# Altium PCB KASLI-DIOT-CPU.PcbDoc (part 1 of 5) (continued)
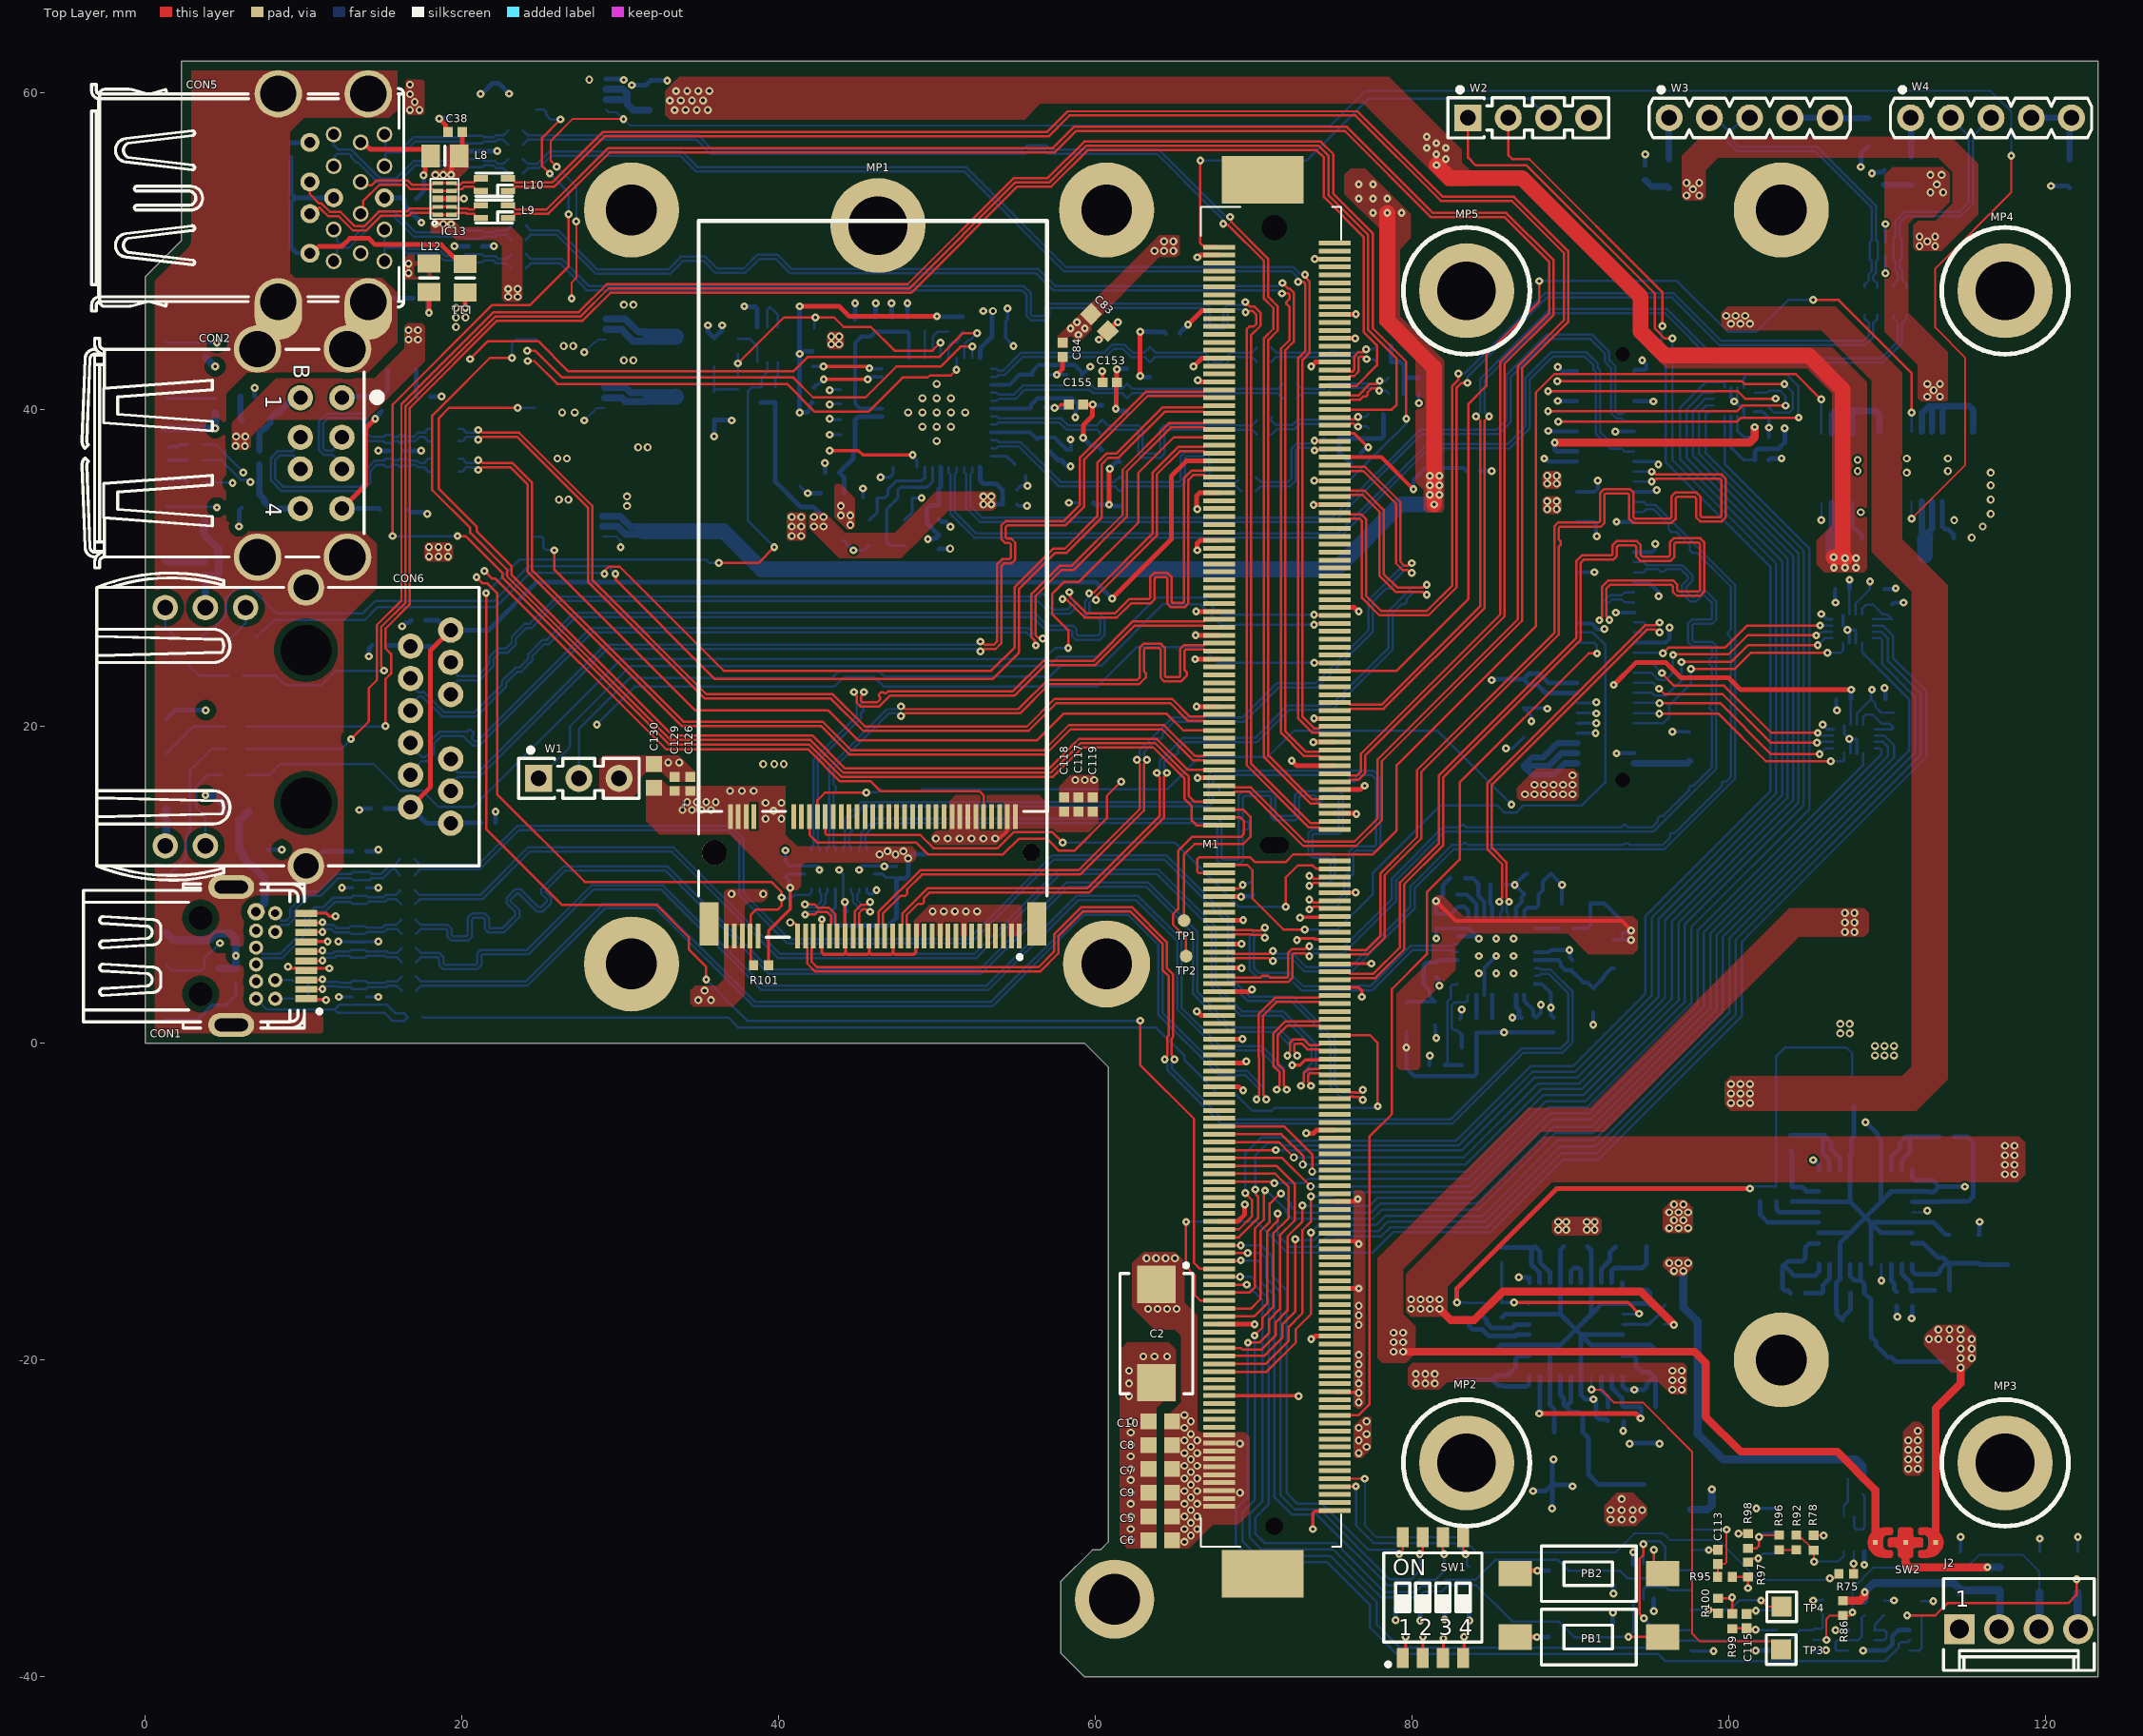
[diagram p0: Top Layer view]
## Components (designator, comment, footprint, x,y, rotation, side; value= is the part's Value field where it differs from the comment) (continued)
C151 "100nF" CAPC1005X55N 23.58,50.717 r180 bottom
C152 "100nF" CAPC1005X55N 64.87,44.817 r0 bottom
C153 "100nF" CAPC1005X55N 60.898,41.714 r180 top
C154 "100nF" CAPC1005X55N 59.42,34.117 r0 bottom
C155 "100nF" CAPC1005X55N 58.77,40.317 r0 top
CON1 "Mini DP" MULTICOMP_64L020S-3x1N-B 3.5,5.5 r270 top locked
CON2 "USB" FCI_72309-8034BLF 11.11,37.25 r270 top locked
CON5 "USB 3.0" WURTH_692141030100 12.75,53.37 r270 top locked
CON6 "RJ45" BELFUSE_L829-1J1T-43 18.02,19.98 r90 top locked
D1 "PESD3V3L1BA" SOD2512X110N 78.945,-34.383 r270 bottom
D2 "PESD3V3L1BA" SOD2512X110N 80.495,-34.383 r270 bottom
D3 "PESD3V3L1BA" SOD2512X110N 82.045,-34.383 r270 bottom
D4 "PESD3V3L1BA" SOD2512X110N 83.595,-34.383 r270 bottom
D5 "PESD3V3L1BA" SOD2512X110N 122,-33.4 r90 bottom
D6 "PESD3V3L1BA" SOD2512X110N 89.9,-37.5 r180 bottom
D7 "CDSOD323-T12" SOD2513X114N 119.6,-33.4 r90 bottom
D8 "CDSOD323-T12" SOD2513X114N 114.6,-33.4 r90 bottom
D9 "PESD3V3L1BA" SOD2512X110N 89.9,-33.3 r180 bottom
D11 "BAT165" SOD2512X110N 47.72,16.017 r0 bottom
F1 "500mA-50V" FUSC_BOURNS_SF-0603F 117.1,-33.825 r270 bottom
FB1 "220R@100MHz" 0603L 5.72,14.617 r0 bottom
IC1 "SN74AVC4T245RSVR" QFN40P180X260X55-16N 107.8,26.167 r270 bottom
IC2 "SN74AVC4T245RSVR" QFN40P180X260X55-16N 107.875,19.217 r270 bottom
IC3 "SN74AVC4T245RSVR" QFN40P180X260X55-16N 100.32,40.467 r90 bottom
IC4 "RCLAMP0524P.TCT" SMDARRAYC_10P4C 13.51,2.917 r270 bottom
IC5 "RCLAMP0524P.TCT" SMDARRAYC_10P4C 13.435,6.392 r270 bottom
IC6 "RCLAMP0524P.TCT" SMDARRAYC_10P4C 13.535,9.792 r270 bottom
IC7 "TPS2051BDGN" SOP65P490X110-9N-R157X189 26.7,32.95 r180 bottom
IC8 "TPS2051BDGN" SOP65P490X110-9N-R157X189 26.8,41.075 r180 bottom
IC9 "RCLAMP0524P.TCT" SMDARRAYC_10P4C 15.835,37.4 r90 bottom
IC10 "RCLAMP0524P.TCT" SMDARRAYC_10P4C 109.9,50.135 r0 bottom
IC11 "TPS2051BDGN" SOP65P490X110-9N-R157X189 26.9,45.4 r180 bottom
IC12 "TPS2051BDGN" SOP65P490X110-9N-R157X189 26.9,59.9 r180 bottom
IC13 "RCLAMP0524P.TCT" SMDARRAYC_10P4C 18.9,53.3 r90 top
IC14 "TPS2051BDGN" SOP65P490X110-9N-R157X189 106.8,36.3 r90 bottom
IC15 "RCLAMP0524P.TCT" SMDARRAYC_10P4C 20.835,56.3 r270 bottom
IC16 "RCLAMP0524P.TCT" SMDARRAYC_10P4C 20.835,50.3 r90 bottom
IC17 "DP83869HMRGZ" QFN50P700X700X100-49N-S420 49.97,39.817 r180 bottom
IC18 "MPM54304GMN-0004" MPS_MPM54304GMN 90.325,-18.088 r0 bottom
IC19 "MPM54304GMN-0001" MPS_MPM54304GMN 108.625,-11 r0 bottom
IC20 "74VHC123AM" SOIC127P600X175-16N 100.3,-33.9 r180 bottom locked
IC21 "TMUXHS4212IRKSR" TI_RKS0020A 43.82,10.942 r90 bottom
IC22 "PI6CB18401ZHIEX" PERICOM_32-TQFN(ZH) 85.3,5.5 r0 bottom
IC23 "TPS2051BDGN" SOP65P490X110-9N-R157X189 112.5,36.4 r90 bottom
J1 "" SAMTEC_LSS-140-01-L-DV-A 92.2,30.05 r90 bottom locked
J2 "KK®" MOLEX_22-04-1041 118.3,-37 r0 top
L1 "220R@100MHz" INDC2012X105N 7,39.3 r0 bottom
L2 "220R@100MHz" INDC2012X105N 16.2,42.5 r0 bottom
L3 "DLSCM0805-900M or DLW21SN900SQ2L" DLSCM0805 18.95,38.4 r0 bottom value=90R
L4 "DLSCM0805-900M or DLW21SN900SQ2L" DLSCM0805 18.95,36.5 r0 bottom value=90R
L5 "220R@100MHz" INDC2012X105N 15.7,33.7 r0 bottom
L6 "220R@100MHz" INDC2012X105N 7,33.8 r0 bottom
L7 "220R@100MHz" INDC2012X105N 19.22,60.217 r180 bottom
L8 "220R@100MHz" INDC2012X105N 18.92,56.017 r0 top
L9 "DLSCM0805-900M or DLW21SN900SQ2L" DLSCM0805 22.05,52.5 r180 top value=90R
L10 "DLSCM0805-900M or DLW21SN900SQ2L" DLSCM0805 22.05,54.2 r180 top value=90R
L11 "220R@100MHz" INDC2012X105N 20.2,48.3 r90 top
L12 "220R@100MHz" INDC2012X105N 17.92,48.317 r270 top
L13 "220R@100MHz" INDC2012X105N 96.2,54.9 r90 bottom
L14 "DLSCM0805-900M or DLW21SN900SQ2L" DLSCM0805 108.97,46.842 r270 bottom value=90R
L15 "220R@100MHz" INDC2012X105N 108.8,57.5 r90 bottom
L16 "220R@100MHz" INDC2012X105N 111.5,55.1 r90 bottom
L17 "DLSCM0805-900M or DLW21SN900SQ2L" DLSCM0805 110.8,46.85 r270 bottom value=90R
L18 "220R@100MHz" INDC2012X105N 121.5,54.9 r90 bottom
L19 "220R@100MHz" INDC2012X105N 79.62,1.617 r90 bottom
L20 "220R@100MHz" INDC2012X105N 92.72,5.617 r270 bottom
L21 "220R@100MHz" INDC2012X105N 90.35,8.825 r180 bottom
LD1 "Orange" LED_DIALIGHT_597-2111-407F 1.32,16.517 r90 bottom
LD2 "Red" LED_DIALIGHT_597-2111-407F 1.32,8.717 r90 bottom
LD3 "Green" LED_DIALIGHT_597-2111-407F 1.32,22.217 r90 bottom
LD4 "Red/Green/Blue" LED_OPTEK_OVSRRGBCC3_a 1.3,37.2 r90 bottom
LD5 "Red" LED_DIALIGHT_597-2111-407F 1.32,3.217 r90 bottom
LD6 "Orange" LED_DIALIGHT_597-2111-407F 1.32,42.517 r90 bottom
LD7 "Green" LED_DIALIGHT_597-2111-407F 1.32,32.217 r90 bottom
M1 "SMARC2.1" SMARC2.1 71.3,51.5 r270 top locked
MP1 "M2.5x5mm" 9774025151 46.265,51.621 r180 top locked
MP2 "M2.5x5mm" 9774025151 83.43,-26.5 r0 top
MP3 "M2.5x5mm" 9774025151 117.43,-26.5 r0 top
MP4 "M2.5x5mm" 9774025151 117.43,47.5 r0 top
MP5 "M2.5x2.5mm" 9774025151 83.43,47.5 r0 top
PB1 "Push Button" PB_TYCO_FSMSM 91.15,-37.5 r180 top
PB2 "Push Button" PB_TYCO_FSMSM 91.15,-33.5 r180 top
Q1 "25MHz" XTAL_EPSON_TSX-3225 46.82,32.217 r90 bottom
R1 "1k2" RESC1005X40N 69.92,9.847 r270 bottom
R2 "1k2" RESC1005X40N 110.3,27.237 r270 bottom
R3 "1k2" RESC1005X40N 110.375,20.387 r270 bottom
R4 "0" RESC1005X40N 9.82,2.817 r180 bottom
R5 "0" RESC1005X40N 9.82,3.917 r180 bottom
R6 "0" RESC1005X40N 17.04,1.642 r180 bottom
R7 "0" RESC1005X40N 16.55,10.617 r180 bottom
R8 "0" RESC1005X40N 16.55,11.617 r180 bottom
R9 "100" RESC1005X40N 63.436,44.418 r90 bottom
R10 "100" RESC1005X40N 62,42.107 r90 bottom
R11 "100" RESC1005X40N 63.436,42.518 r270 bottom
R12 "100" RESC1005X40N 62,40.247 r270 bottom
R13 "0" RESC1005X40N 23.39,57.617 r180 bottom
R14 "100" RESC1005X40N 61.52,34.377 r90 bottom
R15 "100" RESC1005X40N 61.52,36.217 r270 bottom
R16 "100" RESC1005X40N 60.42,37.917 r90 bottom
R17 "100" RESC1005X40N 60.42,39.817 r270 bottom
R18 "100" RESC1005X40N 13.52,12.117 r180 bottom
R19 "330" RESC1608X55N 5.62,16.917 r180 bottom
R20 "330" RESC1608X55N 6.245,25.617 r180 bottom
R21 "330" RESC1608X55N 2.72,25.617 r180 bottom
R22 "100" RESC1005X35N 37.42,41.747 r270 bottom
R23 "2K49" RESC1005X40N 49.22,45.417 r270 bottom
R24 "2K49" RESC1005X40N 4.19,4.717 r0 bottom
R25 "2K49" RESC1005X40N 50.72,45.387 r270 bottom
R26 "2K49" RESC1005X40N 3.82,43.747 r270 bottom
R27 "470" RESC1005X40N 5.583,18.58 r180 bottom
R28 "2K49" RESC1005X40N 3.72,33.387 r270 bottom
R29 "no_value" RESC1005X40N 44.35,37.417 r180 bottom
R30 "470" RESC1005X40N 5.583,19.98 r180 bottom
R31 "470" RESC1005X40N 5.72,23.217 r180 bottom
R32 "2K49" RESC1005X40N 51.62,45.387 r90 bottom
R33 "2K49" RESC1005X40N 41.79,45.117 r180 bottom
R34 "11k" RESC1005X40N 55.246,36.19 r315 bottom
R36 "2K49" RESC1005X40N 42.12,43.187 r90 bottom
R37 "no_value" RESC1005X40N 42.12,40.917 r270 bottom
R38 "0" RESC1005X40N 23.39,56.717 r180 bottom
R39 "0" RESC1005X40N 23.39,55.817 r180 bottom
R40 "0" RESC1005X40N 23.39,54.917 r180 bottom
R41 "no_value" RESC1005X40N 37.42,43.987 r270 bottom
R42 "100" RESC1005X40N 78.99,41.017 r0 bottom
R43 "100" RESC1005X40N 78.99,42.017 r0 bottom
R44 "100" RESC1005X40N 78.19,43.017 r0 bottom
R45 "100" RESC1005X40N 78.19,44.017 r0 bottom
R46 "470" RESC1005X40N 5.72,4.247 r90 bottom
R47 "470" RESC1005X40N 4.42,40.247 r270 bottom
R48 "470" RESC1005X40N 3.72,29.947 r270 bottom
R50 "100" RESC1005X40N 77.72,39.717 r180 bottom
R51 "100" RESC1005X40N 77.72,38.817 r180 bottom
R52 "100" RESC1005X40N 74.92,38.217 r180 bottom
R53 "100" RESC1005X40N 74.89,37.317 r180 bottom
R57 "0" RESC2012X60N 95.795,-12.833 r0 bottom
R58 "68k" RESC1005X40N 83.45,-16.88 r90 bottom
R59 "68k" RESC1005X40N 84.55,-16.88 r90 bottom
R60 "24k" RESC1005X40N 85.65,-13.38 r90 bottom
R61 "240" RESC1005X40N 95.42,-17.75 r0 bottom
R62 "3k3" RESC1005X40N 85.65,-16.85 r90 bottom
R63 "10k" RESC1005X40N 95.48,-16.55 r0 bottom
R64 "0" RESC2012X60N 82.85,-20.25 r90 bottom
R65 "24k" RESC1005X40N 94.88,-22.95 r0 bottom
R66 "3k3" RESC1005X40N 93.35,-23.42 r90 bottom
R67 "240" RESC1005X40N 107.97,-27.5 r0 bottom
R68 "10k" RESC1005X40N 38.887,40.917 r270 bottom
R69 "240" RESC1005X40N 39.787,40.917 r270 bottom
R70 "68k" RESC1005X40N 107.97,-28.5 r180 bottom
R71 "0" RESC2012X60N 110.475,-2 r180 bottom
R72 "68k" RESC1005X40N 101.975,-9.53 r90 bottom
R73 "68k" RESC1005X40N 102.975,-9.53 r90 bottom
R74 "10k" RESC1005X40N 113.745,-5.9 r180 bottom
R75 "240" RESC1005X40N 107.4,-33.5 r0 top
R76 "24k" RESC1005X40N 114.275,-9.53 r270 bottom
R77 "24k" RESC1005X40N 113.275,-9.53 r270 bottom
R78 "68k" RESC1005X40N 105.345,-31.538 r270 top
R79 "0" RESC2012X60N 106.775,-2 r0 bottom
R80 "68k" RESC1005X40N 38.987,46.487 r0 bottom
R81 "15k" RESC1005X40N 103.875,-6.3 r90 bottom
R82 "7k5" RESC1005X40N 103.975,-9.53 r90 bottom
R83 "0" RESC2012X60N 99.475,-13.2 r90 bottom
R84 "24k" RESC1005X40N 104.345,-15.8 r180 bottom
R85 "7k5" RESC1005X40N 106.305,-15.8 r180 bottom
R86 "10k" RESC1005X40N 107.195,-35.663 r90 top
R87 "10k" RESC1005X40N 112.17,-35.688 r90 bottom
R88 "10k" RESC1005X40N 109.795,-35.658 r90 bottom
R89 "0" RESC2012X60N 117.575,-13 r90 bottom
R90 "68k" RESC1005X40N 113.445,-15.6 r0 bottom
R91 "15k" RESC1005X40N 111.575,-16.17 r90 bottom
R92 "24k" RESC1005X40N 104.245,-31.528 r270 top
R93 "10k" RESC1005X40N 108.545,-35.663 r90 bottom
R94 "10k" RESC1005X40N 105.9,-35.6 r90 bottom
R95 "24k" RESC1005X40N 99.74,-33.708 r180 top
R96 "15k" RESC1005X40N 103.17,-31.528 r90 top
R97 "68k" RESC1005X40N 101.2,-33.23 r90 top
R98 "68k" RESC1005X40N 101.2,-31.43 r270 top
R99 "24k" RESC1005X40N 100.2,-36.5 r270 top
R100 "68k" RESC1005X40N 99.3,-35.53 r270 top
R101 "10k" RESC1005X40N 38.89,4.917 r180 top
R102 "150" RESC1005X40N 3.1,37.8 r180 bottom
R103 "33" RESC1005X40N 3.13,36.8 r180 bottom
R104 "33" RESC1005X40N 3.13,35.4 r180 bottom
R105 "1k2" RESC1005X40N 84.05,1.13 r270 bottom
R106 "1k2" RESC1005X40N 89.695,7.25 r0 bottom
R107 "1k2" RESC1005X40N 88.92,1.147 r270 bottom
R108 "1k2" RESC1005X40N 85.05,1.13 r270 bottom
R109 "1k2" RESC1005X40N 82.38,9.375 r0 bottom
R110 "1k2" RESC1005X40N 82.85,10.417 r0 bottom
R111 "1k2" RESC1005X40N 85.395,10 r180 bottom
R112 "1k2" RESC1005X40N 83.59,-1.383 r180 bottom
R113 "1k2" RESC1005X40N 81.55,-1.383 r180 bottom
R114 "1k2" RESC1005X40N 83.59,-0.283 r180 bottom
R115 "1k2" RESC1005X40N 83.02,1.087 r90 bottom
SW1 "Switch" SW_DIPTRONICS_DHA-04TQ 81.3,-35 r90 top
SW2 "Switch" JUMPSM3P 111.145,-31.533 r0 top
T1 "FDG6332C" SOT65P210X110-6N 107.9,-31 r90 bottom
T2 "FDG6332C" SOT65P210X110-6N 39.287,44.088 r270 bottom
T3 "PMGD280UN" SOT65P210X110-6N 110.3,-37.7 r180 bottom
T4 "PMGD280UN" SOT65P210X110-6N 106.4,-37.7 r180 bottom
T5 "PMGD280UN" SOT65P210X110-6N 94.6,-34 r270 bottom
TP1 "TP" TP_large 65.595,7.742 r90 top
TP2 "TP" TP_large 65.72,5.492 r90 top
TP3 "Test Point" TPS127 103.295,-38.283 r0 top
TP4 "Test Point" TPS127 103.32,-35.583 r0 top
W1 "Header 3" SAMTEC_TSW-103-23-L-S 24.84,16.717 r0 top
W2 "Header 4" SAMTEC_TSW-104-23-L-S 83.52,58.417 r0 top locked
W3 "Header 5" SAMTEC_MTLW-105-07-L-S-250 96.22,58.417 r0 top locked
W4 "Header 5" SAMTEC_MTLW-105-07-L-S-250 111.46,58.417 r0 top locked

## Footprints (in the part's own frame and the unit in brackets; to place one, negate y for a bottom-side part, rotate by r counter-clockwise, add the part's x,y. Pads: shape width x height; smd on the part's side, far side on the other; paste and mask are expansions set on the pad)
0603L [mm]
  rect 0.95x1 smd: 1(-0.8,0) 2(0.8,0)
  silkscreen extent -1.47,-0.71 1.47,0.71, body extent -0.87,-0.47 0.88,0.48, height 0.7
9774025151 [mm] "SMT Steel Spacer with internal Thread M2.5, height 2.5mm"
  round 6 / inner round 4 / far side round 0 hole 3.7: 1(0,0)
  body extent -2.55,-2.55 2.55,2.55, height 2.5
BELFUSE_L829-1J1T-43 [mm] "1 Port, Green/Green LEDs, Gigabit Ethernet, MagJack Connector Module"
  round 1.6 hole 0.9: 1(-5.08,1.27) 2(-3.048,1.27) 3(-1.016,1.27) 4(1.016,1.27) 5(3.048,1.27) 6(5.08,1.27) 7(-6.096,-1.27) 8(-4.064,-1.27) 9(-2.032,-1.27) 10(2.032,-1.27) 11(4.064,-1.27) 12(6.096,-1.27)
  round 1.6 hole 1: 13(-7.52,14.22) 14(-7.52,16.76) 15(7.52,11.68) 16(7.52,14.22) 17(7.52,16.76)
  round 2.3 hole 1.6: 18(-8.79,7.87) 19(8.79,7.87)
  round 1 hole 3.2 unplated mask+1.1: 20(-4.825,7.87) 21(4.825,7.87)
  silkscreen extent -9.7,-3.06 9.7,21.07, body extent -9.7,-3.06 9.69,21.07, height 12.21
CAPC1005X55N [mm] "Capacitor, Non-Polarized, Chip; 1.00mm L X 0.50mm W X 0.70mm H, IPC Medium Density"
  rect 0.62x0.62 smd: 1(-0.45,0) 2(0.45,0)
  body extent -0.52,-0.27 0.53,0.28, height 0.55
CAPC1608X80N [mm] "Chip Capacitor, Body 1.6x0.8mm IPC Medium Density"
  rect 1x1 smd: 1(-0.75,0) 2(0.75,0)
  body extent -0.87,-0.47 0.88,0.48, height 0.8
CAPC2012X135N [mm] "Chip Capacitor, Body 2.0x1.25mm, IPC Medium Density"
  rect 1.05x1.4 smd: 1(-0.9,0) 2(0.9,0)
  silkscreen extent 0,-0.58 0,0.58, body extent -1.05,-0.67 1.05,0.68, height 1.25
CAPMP3216X180N [mm] "Capacitor, Polarized, Molded  Body 3.2x1.6mm, IPC Medium Density"
  rect 1.8x1.25 smd: 1(-1.3,0) 2(1.3,0)
  silkscreen extent -2.4,-0.7 0,1.25, body extent -1.7,-0.9 1.7,0.9, height 1.6
CAPMP3528X210N [mm] "Capacitor, Polarized, Molded  Body 3.5x2.8mm, IPC Medium Density"
  rect 1.8x2.25 smd: 1(-1.45,0) 2(1.45,0)
  silkscreen extent -2.52,-1.5 1.85,1.72, body extent -1.85,-1.5 1.85,1.5, height 2.1
CAPMP7343X310N [mm] "Capacitor, Polarized, Molded  Body 7.3x4.3mm, IPC Medium Density"
  rect 2.35x2.45 smd: 1(-3.1,0) 2(3.1,0)
  silkscreen extent -4.42,-2.3 3.8,2.3, body extent -3.8,-2.3 3.8,2.3, height 3.1
DLSCM0805 [mm] "common mode choke"
  rect 0.9x0.4 smd: 1(-0.85,0.4) 2(-0.85,-0.4) 3(0.85,-0.4) 4(0.85,0.4)
  silkscreen extent -1.12,-0.72 1.18,0.72, body extent -1.02,-0.67 1.03,0.67, height 1
FCI_72309-8034BLF [mm] "Dual USB Type A 4 Pin Receptacle, Right Angle, Shielded"
  round 1.6 hole 0.9: A1(-3.5,1.31) A2(-1,1.31) A3(1,1.31) A4(3.5,1.31) B1(-3.5,-1.31) B2(-1,-1.31) B3(1,-1.31) B4(3.5,-1.31)
  round 3 hole 2.3: SH(-6.57,1.66) SH(-6.57,-4.02) SH(6.57,1.66) SH(6.57,-4.02)
  silkscreen extent -7.25,-15.1 7.25,3.77, body extent -7.5,-15.1 7.5,2.92, height 16.19
FP-1-2199230-6-MFG [mm]
  rect 0.3x1.55 smd paste+0 mask+0: 1(-9.25,3.9) 2(-9,-3.65) 3(-8.75,3.9) 4(-8.5,-3.65) 5(-8.25,3.9) 6(-8,-3.65) 7(-7.75,3.9) 8(-7.5,-3.65) 9(-7.25,3.9) 10(-7,-3.65) 11(-6.75,3.9) 12(-6.5,-3.65) 13(-6.25,3.9) 14(-6,-3.65) 15(-5.75,3.9) 16(-5.5,-3.65) 17(-5.25,3.9) 18(-5,-3.65) 19(-4.75,3.9) 20(-4.5,-3.65) 21(-4.25,3.9) 22(-4,-3.65) 23(-3.75,3.9) 24(-3.5,-3.65) 25(-3.25,3.9) 26(-3,-3.65) 27(-2.75,3.9) 28(-2.5,-3.65) 29(-2.25,3.9) 30(-2,-3.65) 31(-1.75,3.9) 32(-1.5,-3.65) 33(-1.25,3.9) 34(-1,-3.65) 35(-0.75,3.9) 36(-0.5,-3.65) 37(-0.25,3.9) 38(0,-3.65) 39(0.25,3.9) 40(0.5,-3.65) 41(0.75,3.9) 42(1,-3.65) 43(1.25,3.9) 44(1.5,-3.65) 45(1.75,3.9) 46(2,-3.65) 47(2.25,3.9) 48(2.5,-3.65) 49(2.75,3.9) 50(3,-3.65) 51(3.25,3.9) 52(3.5,-3.65) 53(3.75,3.9) 54(4,-3.65) 55(4.25,3.9) 56(4.5,-3.65) 57(4.75,3.9) 58(5,-3.65) 67(7.25,3.9) 68(7.5,-3.65) 69(7.75,3.9) 70(8,-3.65) 71(8.25,3.9) 72(8.5,-3.65) 73(8.75,3.9) 74(9,-3.65) 75(9.25,3.9)
  rect 1.2x2.75 smd paste+0 mask+0: 76(-10.35,3.125) 77(10.35,3.125)
  round 1.1 hole 1.1 unplated paste-2539.97 mask+0: ""(-10,-1.375)
  round 1.6 hole 1.6 unplated paste-2539.97 mask+0: ""(10,-1.375)
  silkscreen extent -11,-3.98 11,5.35, body extent -11.1,-4.52 11.1,4.77, height 0.25
FUSC_BOURNS_SF-0603F [mm] "0603 (1608mm), Body 1.6 x 0.8mm, Fast Acting Thin Film Chip Fuse, SinglFuse SF-0603F Series"
  rect 0.65x0.9 smd: 1(-0.725,0) 2(0.725,0)
  silkscreen extent -0.1,-0.4 0.1,0.4, body extent -0.8,-0.4 0.8,0.4, height 0.55
INDC2012X105N [mm] "Chip Inductor, EIA 0805, Metric 2012, Body 2.0x1.25mm, IPC Medium Density"
  rect 1.15x1.45 smd: 1(-0.9,0) 2(0.9,0)
  silkscreen extent 0,-0.6 0,0.6, body extent -1.1,-0.7 1.1,0.7, height 1.1
JUMPSM3P [mm] "2 SMD Pads for Bound by Solder Drop - Equivalent Size 0805 - Gap 0.5mm"
  rect 0.3x0.3 smd paste-0.15: 1(-1.9,0) 2(0,0) 3(1.9,0)
  Top Layer region: -1.431,-0.954 -1.845,-0.86 -2.177,-0.595 -2.361,-0.212 -2.361,0.212 -2.177,0.595 -1.845,0.86 -1.431,0.954 -1.431,0.954 -0.954,0.954 -0.893,0.942 -0.842,0.907 -0.807,0.856 -0.795,0.795 -0.795,0.795 -0.795,0.636 -0.807,0.575 -0.842,0.524 -0.893,0.489 -0.954,0.477 -0.954,0.477 -1.113,0.477 -1.235,0.453 -1.338,0.384 -1.407,0.281 -1.431,0.159 -1.431,0.159 -1.431,-0.159 -1.407,-0.281 -1.338,-0.384 -1.235,-0.453 -1.113,-0.477 -1.113,-0.477 -0.954,-0.477 -0.893,-0.489 -0.842,-0.524 -0.807,-0.575 -0.795,-0.636 -0.795,-0.636 -0.795,-0.795 -0.807,-0.856 -0.842,-0.907 -0.893,-0.942 -0.954,-0.954 -0.954,-0.954
  Top Layer region: 0.795,-0.795 0.795,-0.636 0.807,-0.575 0.842,-0.524 0.893,-0.489 0.954,-0.477 0.954,-0.477 1.113,-0.477 1.235,-0.453 1.338,-0.384 1.407,-0.281 1.431,-0.159 1.431,-0.159 1.431,0.159 1.407,0.281 1.338,0.384 1.235,0.453 1.113,0.477 1.113,0.477 0.954,0.477 0.893,0.489 0.842,0.524 0.807,0.575 0.795,0.636 0.795,0.636 0.795,0.795 0.807,0.856 0.842,0.907 0.893,0.942 0.954,0.954 0.954,0.954 1.431,0.954 1.845,0.86 2.177,0.595 2.361,0.212 2.361,-0.212 2.177,-0.595 1.845,-0.86 1.431,-0.954 1.431,-0.954 0.954,-0.954 0.893,-0.942 0.842,-0.907 0.807,-0.856 0.795,-0.795
  Top Layer region: -0.477,-0.795 -0.477,-0.477 -0.489,-0.416 -0.524,-0.365 -0.575,-0.33 -0.636,-0.318 -0.636,-0.318 -0.954,-0.318 -1.015,-0.306 -1.066,-0.271 -1.101,-0.22 -1.113,-0.159 -1.113,-0.159 -1.113,0.159 -1.101,0.22 -1.066,0.271 -1.015,0.306 -0.954,0.318 -0.954,0.318 -0.636,0.318 -0.575,0.33 -0.524,0.365 -0.489,0.416 -0.477,0.477 -0.477,0.477 -0.477,0.795 -0.465,0.856 -0.43,0.907 -0.379,0.942 -0.318,0.954 -0.318,0.954 0.318,0.954 0.379,0.942 0.43,0.907 0.465,0.856 0.477,0.795 0.477,0.795 0.477,0.477 0.489,0.416 0.524,0.365 0.575,0.33 0.636,0.318 0.636,0.318 0.954,0.318 1.015,0.306 1.066,0.271 1.101,0.22 1.113,0.159 1.113,0.159 1.113,-0.159 1.101,-0.22 1.066,-0.271 1.015,-0.306 0.954,-0.318 0.954,-0.318 0.636,-0.318 0.575,-0.33 0.524,-0.365 0.489,-0.416 0.477,-0.477 0.477,-0.477 0.477,-0.795 0.465,-0.856 0.43,-0.907 0.379,-0.942 0.318,-0.954 0.318,-0.954 -0.318,-0.954 -0.379,-0.942 -0.43,-0.907 -0.465,-0.856 -0.477,-0.795
LED_DIALIGHT_597-2111-407F [mm] "SMT GaAlAs Red LED, Body 3x2mm, 1208 Case, DIALIGHT 597 Series"
  rect 1.5x1.5 smd: 1(1.75,0) 2(-1.75,0)
  rect 0.9x0.9 smd: 3(0,0.65)
  silkscreen extent -0.65,-1.5 1.9,1.4, body extent -1.5,-1.49 1.5,0.5, height 1
LED_OPTEK_OVSRRGBCC3_a [mm] "Side Mount, Full-Color (RGB), 1204 Surface Mount LED (150° Viewing Angle)"
  rect 0.5x0.65 smd: 1(0.4,0.225) 2(-0.4,0.225)
  rect 1x0.8 smd: 3(-1.6,-0.1) 4(1.6,-0.1)
  silkscreen extent -0.94,-1.47 1.7,-0.5, body extent -1.6,-1.37 1.6,0.11, height 1
MOLEX_22-04-1041 [mm] "2.5mm (.100\") Pitch KK® Header, Single Row, Vertical, 4 Circuits"
  rect 1.9x1.9 hole 1.2: 1(-3.75,0)
  round 1.9 hole 1.2: 2(-1.25,0) 3(1.25,0) 4(3.75,0)
  silkscreen extent -4.75,-2.6 4.75,3.2, body extent -4.75,-2.6 4.75,3.2, height 11.7
MPS_MPM54304GMN [mm] "MPS LGA-33 Case, 0.65mm Pitch, Rect. ; 32 Pin, 7.00mm L X 7.00mm W X 2.10mm H body (w/Thermal Tab 3.55 X 3.55mm)"
  rect 0.975x0.35 smd paste-2539.97 mask-0.025: 1(-2.963,1.633) 2(-2.963,0.983) 3(-2.963,0.325) 4(-2.963,-0.313) 5(-2.963,-0.983) 6(-2.963,-1.633) 17(2.963,-1.633) 18(2.963,-0.975) 19(2.963,-0.325) 20(2.963,0.325) 21(2.963,0.983) 22(2.963,1.633)
  rect 0.35x0.975 smd paste-2539.97 mask-0.025: 7(-2.925,-2.963) 8(-2.275,-2.963) 9(-1.625,-2.963) 10(-0.975,-2.963) 11(-0.325,-2.963) 12(0.325,-2.963) 13(0.975,-2.963) 14(1.625,-2.963) 15(2.275,-2.963) 16(2.925,-2.963) 23(2.925,2.963) 24(2.275,2.963) 25(1.625,2.963) 26(0.975,2.963) 27(0.325,2.963) 28(-0.325,2.963) 29(-0.975,2.963) 30(-1.625,2.963) 31(-2.275,2.963) 32(-2.925,2.963)
  rect 3.6x3.6 smd paste-2539.97 mask-0.25: 33(0,0)
  silkscreen extent -4.15,-3.5 3.5,3.5, body extent -3.5,-3.5 3.5,3.5, height 2.1
MULTICOMP_64L020S-3x1N-B [mm] "0.6mm Pitch, Mini DisplayPort Receptacle, 20 Positions, Right Angled"
  rect 0.45x1.4 smd: 1(2.7,6.67) 3(2.1,6.67) 5(1.5,6.67) 7(0.9,6.67) 9(0.3,6.67) 11(-0.3,6.67) 13(-0.9,6.67) 15(-1.5,6.67) 17(-2.1,6.67) 19(-2.7,6.67)
  round 0.9 hole 0.5: 2(2.7,3.5) 4(2.7,4.71) 6(1.52,4.71) 8(1.6,3.5) 10(0.53,3.5) 12(-0.53,3.5) 14(-1.6,3.5) 16(-1.52,4.71) 18(-2.7,4.71)
  round 1.1 hole 0.6: 20(-2.8,3.5)
  round 0.5 hole 1.5 unplated mask+0.5: P1(-2.4,0) P2(2.4,0)
  oval 1.5x2.9 hole 0.8 slot 2.1 at 90 deg: SHIELD(-4.35,1.93) SHIELD(4.35,1.93)
  silkscreen extent -4.56,-7.4 4.56,7.63, body extent -4.55,-7.4 4.56,7.16, height 8.38
PB_TYCO_FSMSM [mm] "Body 3.5x6.0mm, Pushbutton Switch,  TYCO FSMSM Serie"
  rect 2.1x1.6 smd: 1(-4.65,0) 2(4.65,0)
  silkscreen extent -3,-1.75 3,1.75, body extent -5,-1.75 5,1.75, height 4.3
PERICOM_32-TQFN(ZH) [mm] "QFN, 32-Leads, Body 5,00x5,00mm, Pitch 0,50mm, Thermal Pad 3,35x3,35mm, IPC Medium Density"
  rrect50% 0.8x0.3 smd mask+0.05: 1(-2.45,1.75) 2(-2.45,1.25) 3(-2.45,0.75) 4(-2.45,0.25) 5(-2.45,-0.25) 6(-2.45,-0.75) 7(-2.45,-1.25) 8(-2.45,-1.75) 17(2.45,-1.75) 18(2.45,-1.25) 19(2.45,-0.75) 20(2.45,-0.25) 21(2.45,0.25) 22(2.45,0.75) 23(2.45,1.25) 24(2.45,1.75)
  rrect50% 0.3x0.8 smd mask+0.05: 9(-1.75,-2.45) 10(-1.25,-2.45) 11(-0.75,-2.45) 12(-0.25,-2.45) 13(0.25,-2.45) 14(0.75,-2.45) 15(1.25,-2.45) 16(1.75,-2.45) 25(1.75,2.45) 26(1.25,2.45) 27(0.75,2.45) 28(0.25,2.45) 29(-0.25,2.45) 30(-0.75,2.45) 31(-1.25,2.45) 32(-1.75,2.45)
  rrect5% 3.25x3.25 smd paste-3 mask+0.05: 33(0,0)
  silkscreen extent -3.62,-2.7 2.7,2.7, body extent -2.55,-2.55 2.55,2.55, height 0.8
QFN40P180X260X55-16N [mm] "QFN, 0.40mm Pitch, Rect.; 16 Pin, 2.60mm L X 1.80mm W X 0.55mm H Body, IPC Medium Density"
  oval 0.9x0.2 smd: 1(-0.85,0.6)
  oval 0.8x0.2 smd: 2(-0.9,0.2) 3(-0.9,-0.2) 4(-0.9,-0.6) 9(0.9,-0.6) 10(0.9,-0.2) 11(0.9,0.2) 12(0.9,0.6)
  oval 0.2x0.8 smd: 5(-0.6,-1.3) 6(-0.2,-1.3) 7(0.2,-1.3) 8(0.6,-1.3) 13(0.6,1.3) 14(0.2,1.3) 15(-0.2,1.3) 16(-0.6,1.3)
  silkscreen extent -2.02,0.47 -1.78,0.72, body extent -0.9,-1.3 0.9,1.3, height 0.55
QFN50P700X700X100-49N-S420 [mm] "QFN, 0.50mm Pitch, Square; 48 Pin, 7.00mm L X 7.00mm W X 1mm H body (W/Thermal Tab 4.2mm X 4.2mm), IPC Medium Density"
  oval 0.9x0.3 smd: 1(-3.45,2.75) 2(-3.45,2.25) 3(-3.45,1.75) 4(-3.45,1.25) 5(-3.45,0.75) 6(-3.45,0.25) 7(-3.45,-0.25) 8(-3.45,-0.75) 9(-3.45,-1.25) 10(-3.45,-1.75) 11(-3.45,-2.25) 12(-3.45,-2.75) 25(3.45,-2.75) 26(3.45,-2.25) 27(3.45,-1.75) 28(3.45,-1.25) 29(3.45,-0.75) 30(3.45,-0.25) 31(3.45,0.25) 32(3.45,0.75) 33(3.45,1.25) 34(3.45,1.75) 35(3.45,2.25) 36(3.45,2.75)
  oval 0.3x0.9 smd: 13(-2.75,-3.45) 14(-2.25,-3.45) 15(-1.75,-3.45) 16(-1.25,-3.45) 17(-0.75,-3.45) 18(-0.25,-3.45) 19(0.25,-3.45) 20(0.75,-3.45) 21(1.25,-3.45) 22(1.75,-3.45) 23(2.25,-3.45) 24(2.75,-3.45) 37(2.75,3.45) 38(2.25,3.45) 39(1.75,3.45) 40(1.25,3.45) 41(0.75,3.45) 42(0.25,3.45) 43(-0.25,3.45) 44(-0.75,3.45) 45(-1.25,3.45) 46(-1.75,3.45) 47(-2.25,3.45) 48(-2.75,3.45)
  rect 4.2x4.2 smd: 49(0,0)
  silkscreen extent -4.63,-3.5 3.5,3.5, body extent -3.5,-3.5 3.5,3.5, height 1
RESC1005X35N [mm] "Chip Resistor, EIA 0402, Metric 1005, Body 1.0x0.5mm, IPC Medium Density"
  rect 0.58x0.62 smd: 1(-0.47,0) 2(0.47,0)
  body extent -0.52,-0.27 0.53,0.28, height 0.35
RESC1005X40N [mm] "Chip Resistor, EIA 0402, Metric 1005, Body 1.0x0.5mm, IPC Medium Density"
  rect 0.58x0.62 smd: 1(-0.47,0) 2(0.47,0)
  body extent -0.52,-0.27 0.53,0.28, height 0.4
RESC1608X55N [mm] "Chip Resistor, EIA 0603, Metric 1608, Body 1.6x0.8mm, IPC Medium Density"
  rect 0.9x1 smd: 1(-0.8,0) 2(0.8,0)
  body extent -0.87,-0.47 0.88,0.48, height 0.55
RESC2012X60N [mm] "Chip Resistor, EIA 0805, Metric 2012, Body 2.0x1.2mm, IPC Medium Density"
  rect 0.95x1.4 smd: 1(-1,0) 2(1,0)
  silkscreen extent 0,-0.55 0,0.55, body extent -1.1,-0.67 1.1,0.68, height 0.6
SAMTEC_LSS-140-01-L-DV-A [mm] "80 Contacts, Pitch 0.635mm, Razor Beam LSS Vertical High Speed Hermaphroditic Strip (Lead Style 4.5mm)"
  rect 0.4x1.6 smd: 1(12.383,-1.8) 2(12.383,1.8) 3(11.747,-1.8) 4(11.747,1.8) 5(11.112,-1.8) 6(11.112,1.8) 7(10.477,-1.8) 8(10.477,1.8) 9(9.842,-1.8) 10(9.842,1.8) 11(9.207,-1.8) 12(9.207,1.8) 13(8.572,-1.8) 14(8.572,1.8) 15(7.938,-1.8) 16(7.938,1.8) 17(7.302,-1.8) 18(7.302,1.8) 19(6.667,-1.8) 20(6.667,1.8) 21(6.032,-1.8) 22(6.032,1.8) 23(5.397,-1.8) 24(5.397,1.8) 25(4.763,-1.8) 26(4.763,1.8) 27(4.127,-1.8) 28(4.127,1.8) 29(3.492,-1.8) 30(3.492,1.8) 31(2.857,-1.8) 32(2.857,1.8) 33(2.222,-1.8) 34(2.222,1.8) 35(1.587,-1.8) 36(1.588,1.8) 37(0.952,-1.8) 38(0.953,1.8) 39(0.317,-1.8) 40(0.318,1.8) 41(-0.318,-1.8) 42(-0.317,1.8) 43(-0.953,-1.8) 44(-0.952,1.8) 45(-1.588,-1.8) 46(-1.587,1.8) 47(-2.222,-1.8) 48(-2.222,1.8) 49(-2.857,-1.8) 50(-2.857,1.8) 51(-3.492,-1.8) 52(-3.492,1.8) 53(-4.127,-1.8) 54(-4.127,1.8) 55(-4.763,-1.8) 56(-4.763,1.8) 57(-5.397,-1.8) 58(-5.397,1.8) 59(-6.032,-1.8) 60(-6.032,1.8) 61(-6.667,-1.8) 62(-6.667,1.8) 63(-7.302,-1.8) 64(-7.302,1.8) 65(-7.938,-1.8) 66(-7.938,1.8) 67(-8.572,-1.8) 68(-8.572,1.8) 69(-9.207,-1.8) 70(-9.207,1.8) 71(-9.842,-1.8) 72(-9.842,1.8) 73(-10.477,-1.8) 74(-10.477,1.8) 75(-11.112,-1.8) 76(-11.112,1.8) 77(-11.747,-1.8) 78(-11.747,1.8) 79(-12.383,-1.8) 80(-12.383,1.8)
  round 0.5 hole 0.9 unplated mask+0.2: P1(-13.45,1.1) P2(13.45,1.1)
  silkscreen extent -15.07,-2.82 15.07,2.14, body extent -15.07,-2.3 15.08,2.3, height 4.5
SAMTEC_MTLW-105-07-L-S-250 [mm] "5 Contacts - Pitch 2.54mm - Single Row Through Mount Straight Header (Post Lead = 6.35mm, Tail Lead 3.05mm, Insulator 1.52mm)"
  round 1.7 hole 1: 1(0,0) 2(2.54,0) 3(5.08,0) 4(7.62,0) 5(10.16,0)
  silkscreen extent -1.27,-1.24 11.43,1.93, body extent -1.27,-1.24 11.43,1.24, height 7.87
SAMTEC_TSW-103-23-L-S [mm] "3 Contacts - Pitch 2.54mm - Single Row  Through Mount Straigh Header (Post Lead 5.84mm, Tail Lead 2.92mm, Insulator 2.54mm)"
  rect 1.7x1.7 hole 1: 1(0,0)
  round 1.7 hole 1: 2(2.54,0) 3(5.08,0)
  silkscreen extent -1.27,-1.27 6.35,1.93, body extent -1.27,-1.27 6.35,1.27, height 8.38
SAMTEC_TSW-104-23-L-S [mm] "4 Contacts - Pitch 2.54mm - Single Row  Through Mount Straigh Header (Post Lead 5.84mm, Tail Lead 2.92mm, Insulator 2.54mm)"
  rect 1.7x1.7 hole 1: 1(0,0)
  round 1.7 hole 1: 2(2.54,0) 3(5.08,0) 4(7.62,0)
  silkscreen extent -1.27,-1.27 8.89,1.93, body extent -1.27,-1.27 8.89,1.27, height 8.38
SMARC2.1 [mm]
  round 0 hole 1.6 unplated paste-2539.97 mask+0.051: HX(0,0)
  round 0 hole 1 slot 1.8 at 90 deg unplated paste-2539.97 mask+0.051: HX(39,0)
  round 0 hole 1.1 unplated paste-2539.97 mask+0.051: HX(82,0)
  rect 0.3x2 smd paste+0.051 mask+0.051: P1(1.25,-3.5) P2(1.75,-3.5) P3(2.25,-3.5) P4(2.75,-3.5) P5(3.25,-3.5) P6(3.75,-3.5) P7(4.25,-3.5) P8(4.75,-3.5) P9(5.25,-3.5) P10(5.75,-3.5) P11(6.25,-3.5) P12(6.75,-3.5) P13(7.25,-3.5) P14(7.75,-3.5) P15(8.25,-3.5) P16(8.75,-3.5) P17(9.25,-3.5) P18(9.75,-3.5) P19(10.25,-3.5) P20(10.75,-3.5) P21(11.25,-3.5) P22(11.75,-3.5) P23(12.25,-3.5) P24(12.75,-3.5) P25(13.25,-3.5) P26(13.75,-3.5) P27(14.25,-3.5) P28(14.75,-3.5) P29(15.25,-3.5) P30(15.75,-3.5) P31(16.25,-3.5) P32(16.75,-3.5) P33(17.25,-3.5) P34(17.75,-3.5) P35(18.25,-3.5) P36(18.75,-3.5) P37(19.25,-3.5) P38(19.75,-3.5) P39(20.25,-3.5) P40(20.75,-3.5) P41(21.25,-3.5) P42(21.75,-3.5) P43(22.25,-3.5) P44(22.75,-3.5) P45(23.25,-3.5) P46(23.75,-3.5) P47(24.25,-3.5) P48(24.75,-3.5) P49(25.25,-3.5) P50(25.75,-3.5) P51(26.25,-3.5) P52(26.75,-3.5) P53(27.25,-3.5) P54(27.75,-3.5) P55(28.25,-3.5) P56(28.75,-3.5) P57(29.25,-3.5) P58(29.75,-3.5) P59(30.25,-3.5) P60(30.75,-3.5) P61(31.25,-3.5) P62(31.75,-3.5) P63(32.25,-3.5) P64(32.75,-3.5) P65(33.25,-3.5) P66(33.75,-3.5) P67(34.25,-3.5) P68(34.75,-3.5) P69(35.25,-3.5) P70(35.75,-3.5) P71(36.25,-3.5) P72(36.75,-3.5) P73(37.25,-3.5) P74(37.75,-3.5) P75(40.25,-3.5) P76(40.75,-3.5) P77(41.25,-3.5) P78(41.75,-3.5) P79(42.25,-3.5) P80(42.75,-3.5) P81(43.25,-3.5) P82(43.75,-3.5) P83(44.25,-3.5) P84(44.75,-3.5) P85(45.25,-3.5) P86(45.75,-3.5) P87(46.25,-3.5) P88(46.75,-3.5) P89(47.25,-3.5) P90(47.75,-3.5) P91(48.25,-3.5) P92(48.75,-3.5) P93(49.25,-3.5) P94(49.75,-3.5) P95(50.25,-3.5) P96(50.75,-3.5) P97(51.25,-3.5) P98(51.75,-3.5) P99(52.25,-3.5) P100(52.75,-3.5) P101(53.25,-3.5) P102(53.75,-3.5) P103(54.25,-3.5) P104(54.75,-3.5) P105(55.25,-3.5) P106(55.75,-3.5) P107(56.25,-3.5) P108(56.75,-3.5) P109(57.25,-3.5) P110(57.75,-3.5) P111(58.25,-3.5) P112(58.75,-3.5) P113(59.25,-3.5) P114(59.75,-3.5) P115(60.25,-3.5) P116(60.75,-3.5) P117(61.25,-3.5) P118(61.75,-3.5) P119(62.25,-3.5) P120(62.75,-3.5) P121(63.25,-3.5) P122(63.75,-3.5) P123(64.25,-3.5) P124(64.75,-3.5) P125(65.25,-3.5) P126(65.75,-3.5) P127(66.25,-3.5) P128(66.75,-3.5) P129(67.25,-3.5) P130(67.75,-3.5) P131(68.25,-3.5) P132(68.75,-3.5) P133(69.25,-3.5) P134(69.75,-3.5) P135(70.25,-3.5) P136(70.75,-3.5) P137(71.25,-3.5) P138(71.75,-3.5) P139(72.25,-3.5) P140(72.75,-3.5) P141(73.25,-3.5) P142(73.75,-3.5) P143(74.25,-3.5) P144(74.75,-3.5) P145(75.25,-3.5) P146(75.75,-3.5) P147(76.25,-3.5) P148(76.75,-3.5) P149(77.25,-3.5) P150(77.75,-3.5) P151(78.25,-3.5) P152(78.75,-3.5) P153(79.25,-3.5) P154(79.75,-3.5) P155(80.25,-3.5) P156(80.75,-3.5) S1(1,3.8) S2(1.5,3.8) S3(2,3.8) S4(2.5,3.8) S5(3,3.8) S6(3.5,3.8) S7(4,3.8) S8(4.5,3.8) S9(5,3.8) S10(5.5,3.8) S11(6,3.8) S12(6.5,3.8) S13(7,3.8) S14(7.5,3.8) S15(8,3.8) S16(8.5,3.8) S17(9,3.8) S18(9.5,3.8) S19(10,3.8) S20(10.5,3.8) S21(11,3.8) S22(11.5,3.8) S23(12,3.8) S24(12.5,3.8) S25(13,3.8) S26(13.5,3.8) S27(14,3.8) S28(14.5,3.8) S29(15,3.8) S30(15.5,3.8) S31(16,3.8) S32(16.5,3.8) S33(17,3.8) S34(17.5,3.8) S35(18,3.8) S36(18.5,3.8) S37(19,3.8) S38(19.5,3.8) S39(20,3.8) S40(20.5,3.8) S41(21,3.8) S42(21.5,3.8) S43(22,3.8) S44(22.5,3.8) S45(23,3.8) S46(23.5,3.8) S47(24,3.8) S48(24.5,3.8) S49(25,3.8) S50(25.5,3.8) S51(26,3.8) S52(26.5,3.8) S53(27,3.8) S54(27.5,3.8) S55(28,3.8) S56(28.5,3.8) S57(29,3.8) S58(29.5,3.8) S59(30,3.8) S60(30.5,3.8) S61(31,3.8) S62(31.5,3.8) S63(32,3.8) S64(32.5,3.8) S65(33,3.8) S66(33.5,3.8) S67(34,3.8) S68(34.5,3.8) S69(35,3.8) S70(35.5,3.8) S71(36,3.8) S72(36.5,3.8) S73(37,3.8) S74(37.5,3.8) S75(38,3.8) S76(40,3.8) S77(40.5,3.8) S78(41,3.8) S79(41.5,3.8) S80(42,3.8) S81(42.5,3.8) S82(43,3.8) S83(43.5,3.8) S84(44,3.8) S85(44.5,3.8) S86(45,3.8) S87(45.5,3.8) S88(46,3.8) S89(46.5,3.8) S90(47,3.8) S91(47.5,3.8) S92(48,3.8) S93(48.5,3.8) S94(49,3.8) S95(49.5,3.8) S96(50,3.8) S97(50.5,3.8) S98(51,3.8) S99(51.5,3.8) S100(52,3.8) S101(52.5,3.8) S102(53,3.8) S103(53.5,3.8) S104(54,3.8) S105(54.5,3.8) S106(55,3.8) S107(55.5,3.8) S108(56,3.8) S109(56.5,3.8) S110(57,3.8) S111(57.5,3.8) S112(58,3.8) S113(58.5,3.8) S114(59,3.8) S115(59.5,3.8) S116(60,3.8) S117(60.5,3.8) S118(61,3.8) S119(61.5,3.8) S120(62,3.8) S121(62.5,3.8) S122(63,3.8) S123(63.5,3.8) S124(64,3.8) S125(64.5,3.8) S126(65,3.8) S127(65.5,3.8) S128(66,3.8) S129(66.5,3.8) S130(67,3.8) S131(67.5,3.8) S132(68,3.8) S133(68.5,3.8) S134(69,3.8) S135(69.5,3.8) S136(70,3.8) S137(70.5,3.8) S138(71,3.8) S139(71.5,3.8) S140(72,3.8) S141(72.5,3.8) S142(73,3.8) S143(73.5,3.8) S144(74,3.8) S145(74.5,3.8) S146(75,3.8) S147(75.5,3.8) S148(76,3.8) S149(76.5,3.8) S150(77,3.8) S151(77.5,3.8) S152(78,3.8) S153(78.5,3.8) S154(79,3.8) S155(79.5,3.8) S156(80,3.8) S157(80.5,3.8) S158(81,3.8)
  rect 3x5.15 smd paste+0.051 mask+0.051: SH1(-3,-0.75) SH2(85,-0.75)
  silkscreen extent -1.3,-4.65 83.3,80.13, body extent -3.03,-4.2 85.03,50.13, height 9.47